# Altium PCB PCB2.PcbDoc
Units mm, origin at the board's own origin, x right, y up, seen from the top; angles counter-clockwise.
Board outline 62.51 x 94.1 mm, 2 copper layers (Top Layer, Bottom Layer); 38 components, 35 nets, 182 pads, 78 vias.
Unrouted connection lines stored in the file: 49.
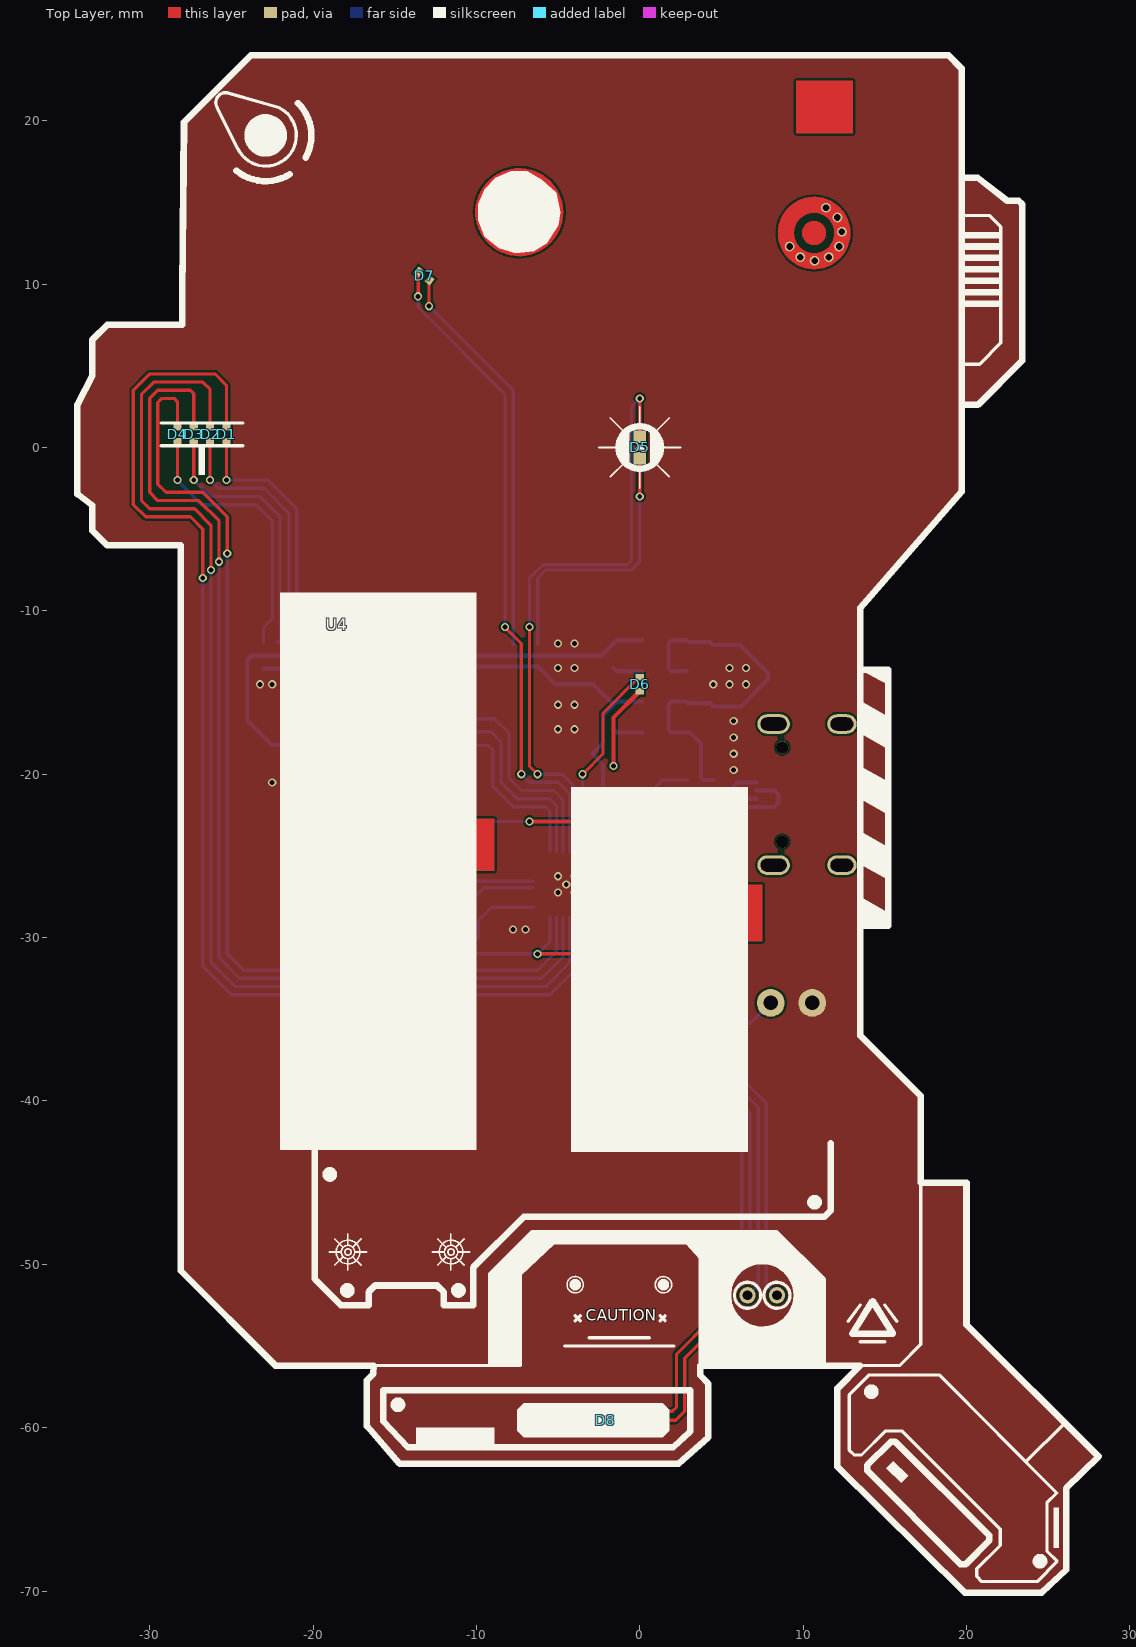
[diagram p0: Top Layer view]
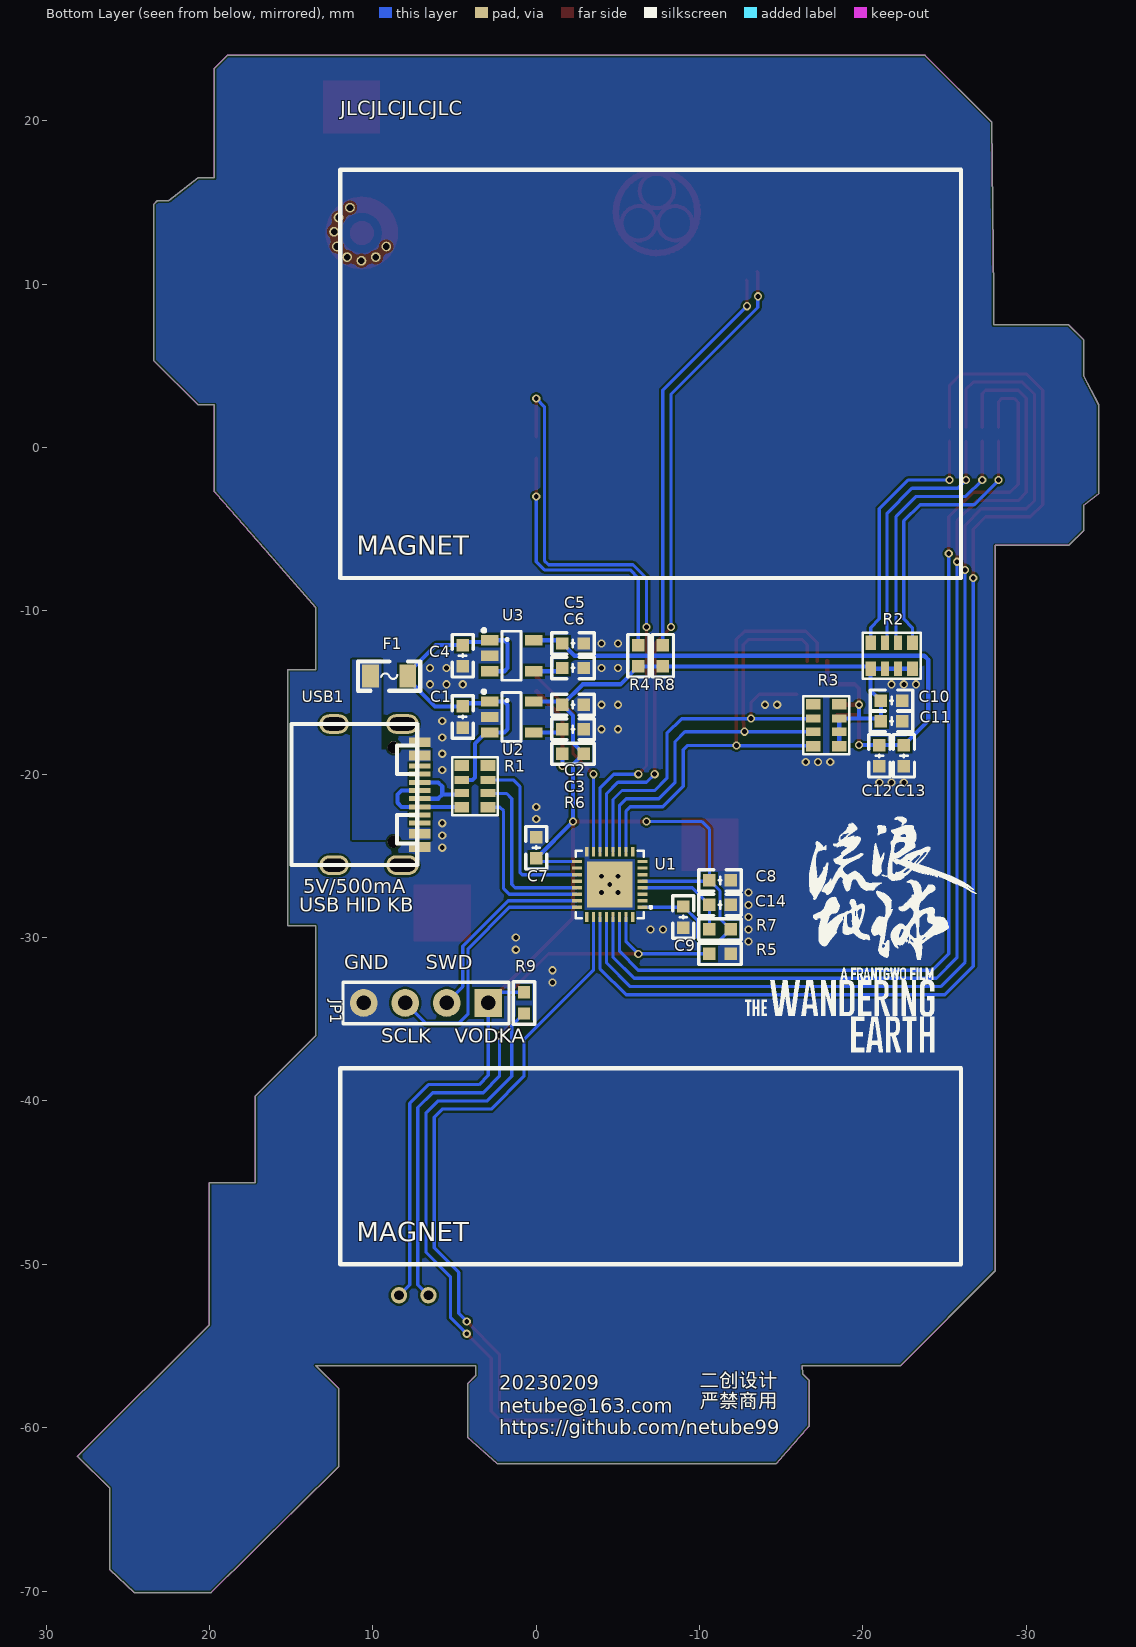
[diagram p1: Bottom Layer view, seen from below]

## Layer stack, top to bottom
Top Solder: solder mask 0.0102, Solder Resist, Dk 3.5
Top Layer: signal copper 0.0356
Dielectric 1: dielectric 0.32, FR-4, Dk 4.8
Bottom Layer: signal copper 0.0356
Bottom Solder: solder mask 0.0102, Solder Resist, Dk 3.5

## Board outline
-16.7,-57.1 -16.3,-56.7 -16.295,-56.2 -22.3,-56.2 -28.1,-50.4 -28.1,-6 -32.6,-6 -33.5,-5.1 -33.5,-3.55 -34.425,-2.85 -34.425,2.625 -33.5,4.4 -33.5,6.6 -32.6,7.5 -28,7.5 -28,9.4 -27.897,19.903 -23.8,24 18.9,24 19.7,23.2 19.7,16.5 20.7,16.5 22.5,15.1 23.2,15.1 23.4,14.9 23.4,5.3 20.7,2.6 19.7,2.6 19.7,-2.7 13.5,-9.8 13.5,-13.6 15.2,-13.6 15.2,-29.275 13.5,-29.275 13.5,-36 17.2,-39.7 17.2,-45 20,-45 20,-53.7 28.088,-61.762 26.1,-63.7 26.1,-68.7 24.6,-70.1 19.9,-70.1 12.1,-62.4 12.1,-57.6 13.5,-56.2 3.7,-56.2 3.7,-56.8 4.2,-57.3 4.2,-60.6 2.4,-62.2 -14.7,-62.2 -16.7,-59.9

## Design rules (kind name [scope] priority, off if disabled: settings)
Clearance [All] p1: gap=0.127 ignorepadtopadclearanceinfootprint=FALSE
PlaneClearance [All] p1: clearance=0
PlaneConnect [All] p1: planeconnectstyle=Direct reliefexpansion=0.508 reliefentries=4 reliefconductorwidth=0.254 reliefairgap=0
PolygonConnect [All] p1: connectstyle=Direct reliefconductorwidth=0.254 reliefentries=4 polygonreliefangle="90 Angle" airgapwidth=0
RoomDefinition Sheet1 [InComponentClass('Sheet1')] p1: confinementstyle=ConfineIn formatcopy=TRUE lockcomponents=FALSE outline -109.713,-114.637 -58.913,-114.637 -58.913,-89.237 -109.713,-89.237
RoutingVias [All] p1: holewidth=0.711 width=1.27 viastyle="Through Hole" minholewidth=0.711 minwidth=1.27 maxholewidth=0.711 maxwidth=1.27
SolderMaskExpansion [All] p1: expansion=0.102 istentingtop=FALSE
Width [All] p1: maxlimit=25.4 minlimit=0.127 preferedwidth=0.254
28 further rules are at their usual default settings.

## Components (designator, comment, footprint, x,y, rotation, side; value= is the part's Value field where it differs from the comment)
C1 "2.2uF 16V" "C 0603_L" 4.5,-16.5 r270 bottom
C2 "2.2uF 16V" "C 0603_L" -2.25,-15.75 r180 bottom
C3 "10nF 50V" "C 0603_L" -2.25,-17.25 r0 bottom
C4 "2.2uF 16V" "C 0603_L" 4.5,-12.75 r270 bottom
C5 "2.2uF 16V" "C 0603_L" -2.25,-12 r180 bottom
C6 "10nF 50V" "C 0603_L" -2.25,-13.5 r0 bottom
C7 "100nF 50V" "C 0603_L" 0,-24.5 r270 bottom
C8 "100nF 50V" "C 0603_L" -11.25,-26.5 r0 bottom
C9 "100nF 50V" "C 0603_L" -9,-28.75 r90 bottom
C10 "100nF 50V" "C 0603_L" -21.75,-15.5 r180 bottom
C11 "100nF 50V" "C 0603_L" -21.75,-16.75 r180 bottom
C12 "100nF 50V" "C 0603_L" -21,-18.873 r270 bottom
C13 "10uF 10V" "C 0603_L" -22.5,-18.873 r270 bottom
C14 "100nF 50V" "C 0603_L" -11.25,-28 r0 bottom
D1 "LED" "R 0402_L" -25.3,0.8 r90 top locked
D2 "LED" "R 0402_L" -26.3,0.8 r90 top locked
D3 "LED" "R 0402_L" -27.3,0.8 r90 top locked
D4 "LED" "R 0402_L" -28.3,0.8 r90 top locked
D5 "LED" LED_0603 0,0 r90 top locked
D6 "LED" "R 0402_L" 0,-14.5 r90 top locked
D7 "LED" "R 0402_L" -13.2,10.5 r142 top locked
D8 "LED" LED_0603 -2.1,-59.55 r180 top locked
F1 "0.5A" "FU 0805" 9,-14 r180 bottom
JP1 "HDR-1X4" HDR2.54-LI-4P 6.75,-34 r0 bottom
R1 "22R" RCA-8P4R-0603 3.75,-20.75 r270 bottom
R2 "100K" RCA-8P4R-0603 -21.75,-12.75 r180 bottom
R3 "4.7K" RCA-8P4R-0603 -17.75,-17 r90 bottom
R4 "4.7K" "R 0603_L" -6.25,-12.75 r270 bottom
R5 "10K" "R 0603_L" -11.25,-31 r0 bottom
R6 "100K" "R 0603_L" -2.25,-18.75 r180 bottom
R7 "10K" "R 0603_L" -11.25,-29.5 r180 bottom
R8 "100K" "R 0603_L" -7.75,-12.75 r270 bottom
R9 "47K" "R 0603_L" 0.75,-34 r90 bottom
U1 "AT32F415KBU7" "QFN-32 4X4" -4.5,-26.75 r90 bottom
U2 "SPX3819_3.3V" SOT23-5n 1.5,-16.5 r270 bottom
U3 "SPX3819_3.3V" SOT23-5n 1.5,-12.75 r270 bottom
U4 "PAJ7620U2" QFN-13_L5.2-W3.0_PAJ7620U2 -17.2,-15.2 r0 top locked
USB1 "Type-C" USB-TYPE-C_16PIN-MALE-TYPE-C-31-M-12 9.75,-21.25 r270 bottom locked

## Footprints (in the part's own frame and the unit in brackets; to place one, negate y for a bottom-side part, rotate by r counter-clockwise, add the part's x,y. Pads: shape width x height; smd on the part's side, far side on the other; paste and mask are expansions set on the pad)
"C 0603_L" [mil] "无极性贴片电容                                       淘宝ID:黄晶宝石"
  rect 30x30 smd: 1(-25.59,0) 2(25.59,0)
  silkscreen extent -51,-26 51,26, body extent -31,-16 31,16, height 32
"FU 0805" [mil] "贴片保险丝"
  rect 40x55 smd: 1(-45,0) 2(45,0)
  silkscreen extent -75,-35 75,35, body extent -39,-24 39,24, height 20
HDR2.54-LI-4P [mm] "排针，4脚"
  rect 1.7x1.7 hole 0.9: 1(-3.81,0)
  round 1.7 hole 0.9: 2(-1.27,0) 3(1.27,0) 4(3.81,0)
  silkscreen extent -5.08,-1.27 5.08,1.27, body extent -5.08,-1.27 5.08,1.27, height 8.5
LED_0603 [mil] "0603LED"
  rect 30x30 smd: 1(-25.59,0) 2(25.59,0)
  silkscreen extent -5,-10 5,10, body extent -33,-14 32,14, height 27
QFN-13_L5.2-W3.0_PAJ7620U2 [mm]
  rect 0.4x1.305 smd: 1(-0.61,2.118) 2(0,2.118) 3(0.61,2.118) 8(0.61,-2.517) 9(0,-2.517) 10(-0.61,-2.517)
  rect 1.305x0.4 smd: 4(1.247,0.723) 5(1.247,0.088) 6(1.247,-0.547) 7(1.247,-1.182) 11(-1.247,-1.182) 12(-1.247,-0.547) 13(-1.247,0.088)
  silkscreen extent -1.58,-2.91 1.58,3
"QFN-32 4X4" [mm]
  rect 0.2x0.6 smd mask+0.051: 1(-1.4,-2) 2(-1,-2) 3(-0.6,-2) 4(-0.2,-2) 5(0.2,-2) 6(0.6,-2) 7(1,-2) 8(1.4,-2) 17(1.4,2) 18(1,2) 19(0.6,2) 20(0.2,2) 21(-0.2,2) 22(-0.6,2) 23(-1,2) 24(-1.4,2)
  rect 0.6x0.2 smd mask+0.051: 9(2,-1.4) 10(2,-1) 11(2,-0.6) 12(2,-0.2) 13(2,0.2) 14(2,0.6) 15(2,1) 16(2,1.4) 25(-2,1.4) 26(-2,1) 27(-2,0.6) 28(-2,0.2) 29(-2,-0.2) 30(-2,-0.6) 31(-2,-1) 32(-2,-1.4)
  rect 2.8x2.8 smd paste-2539.97 mask+0.051: 33(0,0)
  silkscreen extent -2.08,-2.58 2.08,2.08
"R 0402_L" [mm] "1/16W贴片电阻     淘宝ID:黄晶宝石"
  rect 0.4x0.5 smd: 1(-0.425,0) 2(0.425,0)
  body extent -0.5,-0.25 0.5,0.25, height 0.3
"R 0603_L" [mil] "1/10W贴片电阻                 淘宝ID:黄晶宝石"
  rect 30x30 smd: 1(-25.59,0) 2(25.59,0)
  silkscreen extent -51,-26 51,26, body extent -31,-16 31,16, height 16
RCA-8P4R-0603 [mm] "3.2mm*1.6mm*0.6mm(长*宽*厚)"
  rect 0.65x0.9 smd: 1(-1.28,-0.8) 4(1.28,-0.8) 5(1.28,0.8) 8(-1.28,0.8)
  rect 0.5x0.9 smd: 2(-0.4,-0.8) 3(0.4,-0.8) 6(0.4,0.8) 7(-0.4,0.8)
  silkscreen extent -1.78,-1.4 1.78,1.4, body extent -1.6,-0.8 1.6,0.8, height 0.6
SOT23-5n [mm] "3x1.6x1.1mm(长宽高)  封装库来自淘宝卖家 ID：黄晶宝石"
  rect 0.635x1.067 smd: 1(-0.95,-1.35) 2(0,-1.35) 3(0.95,-1.35) 4(0.95,1.35) 5(-0.95,1.35)
  silkscreen extent -1.63,-1.78 1.5,0.56, body extent -1.5,-1.4 1.5,1.4, height 1.15
USB-TYPE-C_16PIN-MALE-TYPE-C-31-M-12 [mm]
  oval 1.2x1.8 hole 0.8 slot 1.4 at 90 deg: 0(-4.32,-2.624) 0(4.32,-2.624)
  oval 1.2x2 hole 0.8 slot 1.6 at 90 deg: 0(-4.32,1.556) 0(4.32,1.556)
  rect 0.3x1.3 smd: A1(-3.35,2.623) A4(-2.55,2.623) A5(-1.25,2.623) A6(-0.25,2.623) A7(0.25,2.623) A8(1.25,2.624) A9(2.55,2.623) A12(3.35,2.623) B1(3.05,2.623) B4(2.25,2.623) B5(1.75,2.623) B6(0.75,2.623) B7(-0.75,2.623) B8(-1.75,2.624) B9(-2.25,2.623) B12(-3.05,2.623)
  round 0.75 hole 0.75 unplated: ""(-2.89,1.026) ""(2.89,1.026)
  silkscreen extent -4.32,-5.23 4.32,2.47

## Part data
C1 C2 C3 C4 C5 C6 C7 C8 C9 C10 C11 C12 C13 C14: library part C, "贴片电容", BOM名称=无极性贴片电容, 优秀评价可免费更新=联系淘宝ID：黄晶宝石，获取更新版封装库, 卖家免费技术支持，联系售后=唯一出售店铺网址https://shop463601444.taobao.com, 本封装库来自淘宝卖家 ID：黄晶宝石=其他店铺购入均为盗版，请立即申请退款
D1 D2 D3 D4 D5 D6 D7 D8: "发光二极管", 优秀评价可免费更新=联系淘宝ID：黄晶宝石，获取更新版封装库, 卖家免费技术支持，联系售后=唯一出售店铺网址https://shop463601444.taobao.com, 封装库来自淘宝卖家 ID：黄晶宝石=其他店铺购入均为假冒，请立即申请退款，本店奖励2~5元现金, 技术支持，联系售后=https://shop463601444.taobao.com
F1: library part FU, "贴片保险丝", BOM名称=贴片保险丝, 优秀评价可免费更新=联系淘宝ID：黄晶宝石，获取更新版封装库, 卖家免费技术支持，联系售后=唯一出售店铺网址https://shop463601444.taobao.com, 封装库来自淘宝卖家 ID：黄晶宝石=其他店铺购入均为盗版，请立即申请退款, 版权归属="封装库来自淘宝卖家 ID：黄晶宝石"
JP1: library part "Header 4", "4P接插件", 优秀评价可免费更新封装库=联系淘宝ID：黄晶宝石，获取更新版封装库, 卖家免费技术支持，联系售后=唯一出售店铺网址https://shop463601444.taobao.com, 封装库来自淘宝卖家 ID：黄晶宝石=其他店铺购入均为盗版，请立即申请退款
R1 R2 R3: library part R-8P4R, "贴片排阻", BOM名称=贴片网络排阻, 优秀评价可免费更新=联系淘宝ID：黄晶宝石，获取更新版封装库, 卖家免费技术支持，联系售后=唯一出售店铺网址https://shop463601444.taobao.com, 本封装库来自淘宝卖家 ID：黄晶宝石=其他店铺购入均为盗版，请立即申请退款
R4 R5 R6 R7 R8 R9: library part R, "贴片电阻", BOM名称=贴片电阻, 优秀评价可免费更新=联系淘宝ID：黄晶宝石，获取更新版封装库, 卖家免费技术支持，联系售后=唯一出售店铺网址https://shop463601444.taobao.com, 本封装库来自淘宝卖家 ID：黄晶宝石=其他店铺购入均为盗版，请立即申请退款
U1: library part AT32F415K, "基于ARM® 32位的Cortex® / -M4微控制器，带64 K字节至256 K字节闪存、sLib、OTGFS、11个定时器、1个ADC、2个比较器、12个通信接口"
U2 U3: library part SPX3819, "16V 500mA LDO"
U4: "手势识别传感器"

## Free pads (board coordinates)
  round 0.6 hole 0.4: 7(9.175,12.3) 7(9.825,11.65) 7(10.7,11.425) 7(11.4,14.675) 7(11.575,11.65) 7(12.1,14.075) 7(12.2,12.3) 7(12.375,13.2)
  round 1 hole 0.6: 21(6.6,-51.9) 22(8.4,-51.9)
  round 1.2 smd: 23(-18.7,-33.4) 23(-18,-27.5) 23(-17.9,-39) 23(-17.2,-33.4) 23(-16.4,-39) 24(-16.5,-27.5)
  round 1.6 smd: 23(-15.5,-33.4) 23(-14.7,-39)

## Via types
v1: diameter 0.5, hole 0.3, Top Layer to Bottom Layer, tented both sides, 78 vias

## Nets (pads, with @x,y where several pads share a name; then routed paths per layer and width w, separated by ;. In a path a pad name is that pad's centre, name@x,y a point inside that pad or via, vN(x,y) a via of type N, cw(c..) or ccw(c..) an arc to the next point about the centre after c; other vN are vias at no path point)
BOOT0: pad.21 R5.2 U1.31 | length 38.8
  Top Layer w0.2: v1(-6.25,-31) -0.75,-31 1.67,-33.42 1.67,-35.42 v1(2.25,-36)
  Bottom Layer w0.2: R5.2 v1(-6.25,-31) ; v1@-6.169,-31 v1(-6.25,-31) ; U1.31 -5.5,-30.25 v1(-6.25,-31) ; v1(2.25,-36) 2.25,-38.5 3.25,-39.5 6.346,-39.5 7.25,-40.404 7.25,-51.25 pad.21
GND: C1.2 C2.2 C3.1 C4.2 C5.2 C6.1 C7.1 C8.1 C9.1 C10.2 C11.2 C12.2 C13.2 C14.1 JP1.4 R5.1 U1.16 U1.33 U2.2 U3.2 U4.6 U4.10 USB1.A1 USB1.A12 USB1.B1 USB1.B12
  other v1: -1,-32.75 -1,-32 1.25,-30.75 -13,-30.25 1.25,-30 -13,-29.5 -7.75,-29.5 -7,-29.5 -13,-28.75 -13,-28 -13,-27.25 -5,-27.25 -4,-27.25 -4.5,-26.75 -5,-26.25 -4,-26.25 5.75,-24.5 5.75,-23.75 5.75,-23 0,-22.75 0,-22 -22.5,-20.5 -21.75,-20.5 -21,-20.5 5.75,-19.75 -18,-19.25 -17.25,-19.25 -16.5,-19.25 5.75,-18.75 5.75,-17.75 -5,-17.25 -4,-17.25 5.75,-16.75 -14.75,-15.75 -14,-15.75 -5,-15.75 -4,-15.75 -23.25,-14.5 -22.5,-14.5 -21.75,-14.5 4.5,-14.5 5.5,-14.5 6.5,-14.5 -5,-13.5 -4,-13.5 5.5,-13.5 6.5,-13.5 -5,-12 -4,-12
LED_DFH_1: D1.2 U1.27 | length 75
  Top Layer w0.2: v1(-26.75,-8) -26.75,-5 -27.5,-4.25 -30.25,-4.25 -31,-3.5 -31,3.5 -30,4.5 -26,4.5 -25.3,3.8 D1.2
  Bottom Layer w0.2: v1(-26.75,-8) -26.75,-31.75 -25,-33.5 -5.5,-33.5 -3.9,-31.9 U1.27
LED_DFH_2: D2.2 U1.28 | length 71.1
  Top Layer w0.2: D2.2 -26.3,3.55 -26.75,4 -29.75,4 -30.5,3.25 -30.5,-3.25 -30,-3.75 -27.25,-3.75 -26.25,-4.75 v1(-26.25,-7.5)
  Bottom Layer w0.2: v1(-26.25,-7.5) -26.25,-31.5 -24.75,-33 -5.75,-33 -4.3,-31.55 U1.28
LED_DFH_3: D3.2 U1.29 | length 67.1
  Top Layer w0.2: D3.2 -27.3,3.3 -27.5,3.5 -29.5,3.5 -30,3 -30,-2.75 -29.5,-3.25 -27,-3.25 -25.75,-4.5 v1(-25.75,-7)
  Bottom Layer w0.2: v1(-25.75,-7) -25.75,-31.25 -24.5,-32.5 -6,-32.5 -4.7,-31.2 U1.29
LED_DFH_4: D4.2 U1.30 | length 62.9
  Top Layer w0.2: D4.2 -28.3,2.8 -28.5,3 -29.25,3 -29.5,2.75 -29.5,-2.25 -29,-2.75 -26.75,-2.75 -25.25,-4.25 v1(-25.25,-6.5)
  Bottom Layer w0.2: v1(-25.25,-6.5) -25.25,-31 -24.25,-32 -6.25,-32 -5.1,-30.85 U1.30
LED_MOSS: D5.2 U1.14 | length 38
  Top Layer w0.2: v1(-6.75,-11) -6.75,-19.5 v1(-6.25,-20) ; D5.2 v1(0,3)
  Bottom Layer w0.2: v1(-6.75,-11) -6.75,-8 -5.923,-7.173 -0.75,-7.173 -0.5,-6.923 -0.5,2.5 v1(0,3) ; v1(-6.25,-20) -4.75,-20 -3.9,-20.85 U1.14
LED_STD_1: D6.2 U1.15 | length 12.2
  Top Layer w0.2: v1(-3.5,-20) -2.25,-18.75 -2.25,-16.275 -0.05,-14.075 D6.2
  Bottom Layer w0.2: U1.15 v1(-3.5,-20)
LED_STD_2: D7.2 U1.13 | length 40.4
  Top Layer w0.2: v1(-13.566,9.25) -13.566,10.731 D7.2 ; v1(-8.25,-11) -7.25,-12 v1(-7.25,-20)
  Bottom Layer w0.2: v1(-13.566,9.25) -13.566,8.566 -8.25,3.25 v1(-8.25,-11) ; v1(-7.25,-20) -6.75,-20.5 -5,-20.5 -4.3,-21.2 U1.13
LED_STD_3: D8.2 U1.26 | length 43
  Top Layer w0.2: D8.2 -1.95,-58.75 -1,-58.75 -0.75,-59 2,-59 2.25,-58.75 2.25,-55.5 v1(4.25,-53.5)
  Bottom Layer w0.2: U1.26 -3.5,-32 0.75,-36.25 0.75,-38.5 2.75,-40.5 5.75,-40.5 6.25,-41 6.25,-49 4.75,-50.5 4.75,-53 v1(4.25,-53.5)
NetC3_2: C3.2 U2.4 | length 1.8
  Bottom Layer w0.254: C3.2 -1.4,-17.45 U2.4
NetC6_2: C6.2 U3.4 | length 1.8
  Bottom Layer w0.254: C6.2 -1.4,-13.7 U3.4
NetD1_1: D1.1 R2.8 | length 15.8
  Top Layer w0.2: v1(-25.3,-1.996) D1.1
  Bottom Layer w0.2: v1@-25.296,-2 -22.75,-2 -21,-3.75 -21,-10.5 -20.47,-11.03 R2.8
  Bottom Layer w0.254: v1(-25.3,-1.996) v1@-25.296,-2
NetD2_1: D2.1 R2.7 | length 16
  Top Layer w0.2: v1(-26.3,-2) D2.1
  Bottom Layer w0.2: v1(-26.3,-2) -25.8,-2.5 -23,-2.5 -21.473,-4.027 R2.7@-21.473,-11.827
  Bottom Layer w0.254: R2.7@-21.473,-11.827 R2.7
NetD3_1: D3.1 R2.6 | length 16.3
  Top Layer w0.2: v1(-27.3,-2) D3.1
  Bottom Layer w0.2: v1(-27.3,-2) -26.3,-3 -23.25,-3 -22.027,-4.223 R2.6@-22.027,-11.827
  Bottom Layer w0.254: R2.6 R2.6@-22.027,-11.827
NetD4_1: D4.1 R2.5 | length 16.9
  Top Layer w0.2: v1(-28.3,-2) D4.1
  Bottom Layer w0.2: v1(-28.3,-2) -26.8,-3.5 -23.5,-3.5 -22.5,-4.5 -22.5,-10.5 -23.03,-11.03 R2.5
NetD5_1: D5.1 R4.1 | length 17.1
  Top Layer w0.2: v1(0,-3) D5.1
  Bottom Layer w0.2: R4.1 -6.25,-8 -5.75,-7.5 -0.5,-7.5 0,-7 v1(0,-3)
NetD6_1: D6.1 R6.1 | length 6
  Top Layer w0.254: v1(-1.6,-19.5) -1.6,-16.525 -0.123,-15.048 -0.123,-14.998 -0.05,-14.925 D6.1
  Bottom Layer w0.254: v1(-1.6,-19.5) R6.1
NetD7_1: D7.1 R8.1 | length 24.5
  Top Layer w0.2: v1(-12.896,8.646) -12.896,10.208 D7.1
  Bottom Layer w0.2: v1(-12.896,8.646) -7.75,3.5 R8.1
NetD8_1: D8.1 R9.1 | length 34.7
  Top Layer w0.2: D8.1 2.2,-59.55 2.75,-59 2.75,-55.75 v1(4.25,-54.25)
  Bottom Layer w0.2: R9.1 1.5,-35.4 1.5,-38.5 3,-40 6,-40 6.75,-40.75 6.75,-49.25 5.25,-50.75 5.25,-53.25 v1(4.25,-54.25)
NetF1_1: F1.1 USB1.A4 USB1.A9 USB1.B4 USB1.B9
NetR1_5: R1.5 U1.22 | length 10.4
  Bottom Layer w0.2: U1.22 1.65,-27.35 2,-27 2,-22.25 2.22,-22.03 R1.5
NetR1_6: R1.6 U1.21 | length 10.9
  Bottom Layer w0.2: U1.21 1.3,-26.95 1.5,-26.75 1.5,-21.5 1.817,-21.183 2.917,-21.183 R1.6
NetR1_7: R1.7 U1.19 | length 10.9
  Bottom Layer w0.2: U1.19 0.85,-26.15 1,-26 1,-20.75 1.4,-20.35 R1.7
NRST: C14.2 R7.1 U1.4 | length 6
  Bottom Layer w0.2: R7.1 C14.2 -9.55,-26.95 U1.4
PAJ7620U2_INT: R3.7 U1.11 U4.3 | length 28.6
  Top Layer w0.2: U4.3 -16.59,-12.09 -16.25,-11.75 -13,-11.75 -12.673,-12.077 -12.673,-16.822 -12.701,-16.85 -12.701,-17.351 v1(-12.75,-17.4)
  Bottom Layer w0.2: R3.7 v1(-12.75,-17.4) -9.1,-17.4 -8.5,-18 -8.5,-20.5 -7.5,-21.5 -5.5,-21.5 -5.1,-21.9 U1.11
PAJ7620U2_SCL: R3.6 U1.12 U4.5 | length 23.1
  Top Layer w0.2: U4.5 -13.638,-15.112 -13.15,-15.6 v1(-13.15,-16.6)
  Bottom Layer w0.2: R3.6 v1(-13.15,-16.6) -8.9,-16.6 -8,-17.5 -8,-20.25 -7.25,-21 -5.25,-21 -4.7,-21.55 U1.12
PAJ7620U2_SDA: R3.8 U1.10 U4.2 | length 30
  Top Layer w0.2: U4.2 -17.2,-11.95 -16.5,-11.25 -12.75,-11.25 -12.25,-11.75 v1(-12.25,-18.25)
  Bottom Layer w0.2: R3.8@-16.935,-18.265 v1@-12.265,-18.265 ; v1(-12.25,-18.25) -9.25,-18.25 -9,-18.5 -9,-20.75 -7.75,-22 -5.75,-22 -5.5,-22.25 U1.10
  Bottom Layer w0.254: R3.8 R3.8@-16.935,-18.265 ; v1@-12.265,-18.265 v1(-12.25,-18.25)
SWC: JP1.3 U1.24 | length 16.3
  Bottom Layer w0.2: U1.24 1.65,-28.15 4.173,-30.673 4.173,-34.673 4.75,-35.25 6.77,-35.25 JP1.3
SWD: JP1.2 U1.23 | length 12
  Bottom Layer w0.2: U1.23 1.712,-27.75 4.5,-30.538 4.5,-33 5.48,-33.98 JP1.2
USB_D+: R1.4 USB1.A6 USB1.B6 | length 6
  Bottom Layer w0.254: R1.4 4.58,-22 8.25,-22 8.5,-21.75 8.5,-21.25 8.25,-21 USB1.A6
USB_D-: R1.3 USB1.A7 USB1.B7 | length 4.7
  Bottom Layer w0.254: R1.3 4.65,-21.25 5.75,-21.25 ; USB1.A7 6,-21.5 5.75,-21.25 ; USB1.B7 6,-20.5 5.75,-20.75 5.75,-21.25
VBUS: C1.1 C4.1 F1.2 R1.2 U2.1 U2.3 U3.1 U3.3 | length 23.9
  Bottom Layer w0.254: U3.3 1.95,-13.7 1.75,-13.5 1.75,-12 1.95,-11.8 U3.1 2.959,-11.909 4.31,-11.909 C4.1 6.147,-12.1 7.857,-13.809 F1.2 7.857,-14.19 6.198,-15.85 C1.1 4.31,-15.659 2.959,-15.659 U2.1 1.95,-15.55 1.75,-15.75 1.75,-17.25 1.95,-17.45 3.066,-17.45 3.75,-18.134 3.75,-20.201 3.899,-20.35 R1.2
VLED: C5.1 C12.1 C13.1 U3.5 U4.11 | length 36.3
  Top Layer w0.254: v1(-19.75,-18.223) -19.75,-16.531 -19.601,-16.382 U4.11
  Bottom Layer w0.254: v1(-19.75,-18.223) C12.1 C13.1 -24,-16.723 -24,-13 -23.75,-12.75 -2.35,-12.75 C5.1 -1.4,-11.8 U3.5
VMCU: C2.1 C7.2 C8.2 C9.2 C10.1 C11.1 JP1.1 pad.22 R2.1 R2.2 R2.3 R2.4 R3.1 R3.2 R3.3 R4.2 R6.2 R7.2 R8.2 R9.2 U1.1 U1.5 U1.17 U2.5 U4.1 U4.12 | length 116.7
  Top Layer w0.254: v1(-19.75,-15.75) v1@-19.75,-15.747 ; U4.12 v1@-19.75,-15.747 ; U4.1 -17.81,-14.161 -18.149,-14.5 -19.5,-14.5 -19.75,-14.75 v1@-19.75,-15.747 ; v1(-6.75,-22.9) v1(-2.25,-22.9) -2.25,-28.81 JP1.1
  Bottom Layer w0.2: v1(-6.75,-22.9) -10.15,-22.9 -10.6,-23.35 C8.2 ; U1.1 -8.95,-28.15 C9.2 -9.877,-28.977 -9.877,-30 -10.127,-30.25 -11.15,-30.25 R7.2 -11.25,-28.85 -11.25,-27.15 C8.2 ; U1.5 -10.55,-26.55 C8.2 ; U1.17 -0.2,-25.35 C7.2 ; R9.2 2.29,-33.35 JP1.1 2.94,-38.44 3.5,-39 6.596,-39 7.75,-40.154 7.75,-51.25 pad.22
  Bottom Layer w0.254: R2.4 R2.3 R2.2 R2.1 -20.47,-14.87 C10.1 ; C10.1@-20.85,-15.75 C10.1 ; R2.1@-20.47,-13.4 R8.2 R4.2 -5.996,-13.654 -5.15,-14.5 -2.85,-14.5 C2.1@-1.613,-15.737 ; v1(-19.75,-15.75) -19.75,-16.6 ; R3.1 R3.2 R3.3 -19.75,-16.6 ; C7.2 v1(-2.25,-22.9) -2.25,-19.4 R6.2 -2.25,-18.1 -2.25,-16.4 C2.1 -1.4,-15.55 U2.5 ; C10.1 C11.1 -20.95,-16.6 -19.75,-16.6
pads on no net: R1.1 R1.8 R3.4 R3.5 U1.2 U1.3 U1.6 U1.7 U1.8 U1.9 U1.18 U1.20 U1.25 U1.32 U4.4 U4.7 U4.8 U4.9 U4.13 USB1. USB1.0 USB1.A5 USB1.A8 USB1.B5 USB1.B8
copper on no net: | length 47.8
  Top Layer w0.25: -7.45,13.725 ccw(c-8.5,13.725) -7.45,13.725 ; -6.325,15.7 ccw(c-7.375,15.7) -6.325,15.7 ; -5.225,13.725 ccw(c-6.275,13.725) -5.225,13.725
  Top Layer w0.4: -4.875,14.4 ccw(c-7.375,14.4) -4.875,14.4
  Top Layer w1: 10.912,13.125 ccw(c10.675,13.125) 10.912,13.125 ; 12.402,13.125 ccw(c10.675,13.125) 12.402,13.125

## Polygon pours and split planes (outlines as drawn)
no net on Top Overlay "NONET_L01_P-001" (solid): -9.2,-56.2 -7.3,-56.2 -7.3,-50.6 -7.2,-50.6 -5.3,-48.7 2.87,-48.7 2.87,-48.77 3.7,-49.6 3.7,-56.2 11.3,-56.2 11.3,-50.9 8.4,-48 -6.6,-48 -9.2,-50.6
no net on Top Overlay "NONET_L01_P-001" (solid): -7.85,14.725 -7.5,14.675 -7.125,14.675 -6.9,14.7 -7,14.5 -7.2,14.3 -7.3,13.975 -7.475,13.975 -7.6,14.25 -7.825,14.55 -7.875,14.6
GND on Top Layer "NONET_L01_P-001" (solid, remove dead copper, pour order 6): 31,27.5 -39,27.5 -39,-73.5 31,-73.5
GND on Bottom Layer "NONET_L01_P-001" (solid, remove dead copper, pour order 5): 31,27.5 -39,27.5 -39,-73.5 31,-73.5
NetF1_1 on Bottom Layer "NONET_L01_P-001" (solid, remove dead copper, pour order 0): 6.5,-18.5 9.5,-18.5 9.5,-13 11.25,-13 11.25,-24 6.5,-24 6.5,-22.497 6.5,-20

## Keep-outs
Keep-Out Layer:
  lines w0.01: -34.425,-2.85 -33.5,-3.55 -33.5,-5.1 -32.6,-6 -28.1,-6 -28.1,-43.5 -28.1,-50.4 -22.3,-56.2 -16.295,-56.2 -16.3,-56.7 -16.7,-57.1 -16.7,-59.9 -14.7,-62.2 -8.9,-62.2 2.4,-62.2 4.2,-60.6 4.2,-57.3 3.7,-56.8 3.7,-56.2 13.5,-56.2 12.1,-57.6 12.1,-62.4 19.9,-70.1 24.6,-70.1 26.1,-68.7 26.1,-63.7 28.088,-61.762 20,-53.7 20,-45 17.2,-45 17.2,-43.5 17.2,-39.7 13.5,-36 13.5,-29.275 15.2,-29.275 15.2,-13.6 13.5,-13.6 13.5,-9.8 19.7,-2.7 19.7,2.6 20.7,2.6 23.4,5.3 23.4,14.9 23.2,15.1 22.5,15.1 20.7,16.5 19.7,16.5 19.7,23.2 18.9,24 -16,24 -23.8,24 -27.897,19.903 -28,9.4 -28,7.5 -32.6,7.5 -33.5,6.6 -33.5,4.4 -34.425,2.625 -34.425,-2.85

## Other copper
Top Layer:
  rectangle: 4,-30.25 7.5,-26.75
  rectangle: -12.375,-25.925 -8.9,-22.7
  rectangle: 9.575,19.225 13.05,22.45

## Silkscreen, mask and mechanical layers (free items; w line width, h text height)
Top Overlay:
  drawing of 214 lines, arcs and shapes, not listed
  text "CAUTION" at -3.3,-53.688 h1.2
Bottom Overlay:
  drawing of 47 lines, arcs and shapes, not listed
  text "JLCJLCJLCJLC" at 11.999,20.014 h1.5
  text "MAGNET" at 11,-6.979 h2
  text "5V/500mA" at 14.25,-27.608 h1.5
  text "USB HID KB" at 14.499,-28.735 h1.5
  text "SWD" at 6.75,-32.234 h1.5
  text "GND" at 11.75,-32.234 h1.5
  text "VODKA" at 5,-36.734 h1.5
  text "SCLK" at 9.5,-36.734 h1.5
  text "MAGNET" at 11,-48.979 h2
  text "二创设计" at -10,-57.848 h1.5
  text "20230209" at 2.25,-57.985 h1.5
  text "严禁商用" at -10.001,-59.096 h1.5
  text "netube@163.com" at 2.25,-59.388 h1.5
  text "https://github.com/netube99" at 2.25,-60.713 h1.5
Mechanical 1:
  lines w0.01: -34.425,-2.85 -33.5,-3.55 -33.5,-5.1 -32.6,-6 -28.1,-6 -28.1,-43.5 -28.1,-50.4 -22.3,-56.2 -16.295,-56.2 -16.3,-56.7 -16.7,-57.1 -16.7,-59.9 -14.7,-62.2 -8.9,-62.2 2.4,-62.2 4.2,-60.6 4.2,-57.3 3.7,-56.8 3.7,-56.2 13.5,-56.2 12.1,-57.6 12.1,-62.4 19.9,-70.1 24.6,-70.1 26.1,-68.7 26.1,-63.7 28.088,-61.762 20,-53.7 20,-45 17.2,-45 17.2,-43.5 17.2,-39.7 13.5,-36 13.5,-29.275 15.2,-29.275 15.2,-13.6 13.5,-13.6 13.5,-9.8 19.7,-2.7 19.7,2.6 20.7,2.6 23.4,5.3 23.4,14.9 23.2,15.1 22.5,15.1 20.7,16.5 19.7,16.5 19.7,23.2 18.9,24 -16,24 -23.8,24 -27.897,19.903 -28,9.4 -28,7.5 -32.6,7.5 -33.5,6.6 -33.5,4.4 -34.425,2.625 -34.425,-2.85
Mechanical 2:
  drawing of 201 lines, arcs and shapes, not listed
Mechanical 3:
  circle w0.01: c10.675,13.125 r2.3
  circle w0.01: c-7.375,14.4 r2.5
  circle w0.01: c0,0 r2.3
  circle w0.01: c-26.8,0.8 r2.309
  lines w0.01: 13.5,-27.5 16.606,-29.275 ; 13.5,-25.5 17,-27.5 ; 13.5,-23.5 17,-25.5 ; 13.5,-21.5 17,-23.5 ; 13.5,-19.5 17,-21.5 ; 13.5,-17.5 17,-19.5 ; 13.5,-15.5 17,-17.5 ; 13.5,-13.6 17,-15.5 ; -19.2,-18 -18.7,-18.5 -17.8,-18.5 -14.2,-18.5 -13.8,-18.1 -13.8,-14.5 -16.9,-10.9 -18.8,-10.9 -19.2,-11.3 -19.2,-18 ; -19.2,-18 -19.2,-18 ; -20.8,-32.8 -19.7,-32.8 -19.7,-31.2 -20.8,-31.2 -20.8,-32.8 ; -20.8,-16.1 -19.7,-16.1 -19.7,-14.5 -20.8,-14.5 -20.8,-16.1 ; -19.2,-36.4 -18.2,-36.4 -13.8,-31.5 -13.8,-29.7 -14.2,-29.3 -18.3,-29.3 -19.2,-30.2 -19.2,-36.4 ; -19.2,-27.5 -18.8,-27.9 -14.2,-27.9 -13.8,-27.5 -13.8,-20.2 -14.2,-19.8 -18.7,-19.8 -19.2,-20.3 -19.2,-27.5 ; -18.3,-40.9 -17.8,-41.4 -13.6,-41.4 -12.5,-41.4 -11.6,-40.5 -11.6,-33.7 -12,-33.3 -13,-33.3 -18.3,-39.2 -18.3,-40.9 ; -14.339,10.626 -13.578,11.578 -11.068,9.614 -11.83,8.663 -14.339,10.626 ; -2.6,-23.6 cw(c-0.8,-23.5) -0.9,-21.7 4.3,-21.7 2.5,-23.6 -2.6,-23.6 ; -0.8,-41.4 -0.8,-40.5 -0.3,-40 1.4,-40 1.9,-40.5 1.9,-41.4 -0.8,-41.4 ; -0.65,-15.5 -0.65,-12.5 0.65,-12.5 0.65,-15.5 -0.65,-15.5 ; 2.8,-40.5 2.8,-38.4 3.5,-38.4 3.5,-40.5 2.8,-40.5
  lines w0.5: -19.7,-26.3 -13.2,-26.3 ; -19.425,-19.325 -10.675,-24.325 ; -13.721,-27.918 cw(c-10.675,-24.325) -13.229,-20.367